# Altium PCB PCB1.PcbDoc (part 1 of 3) (continued)
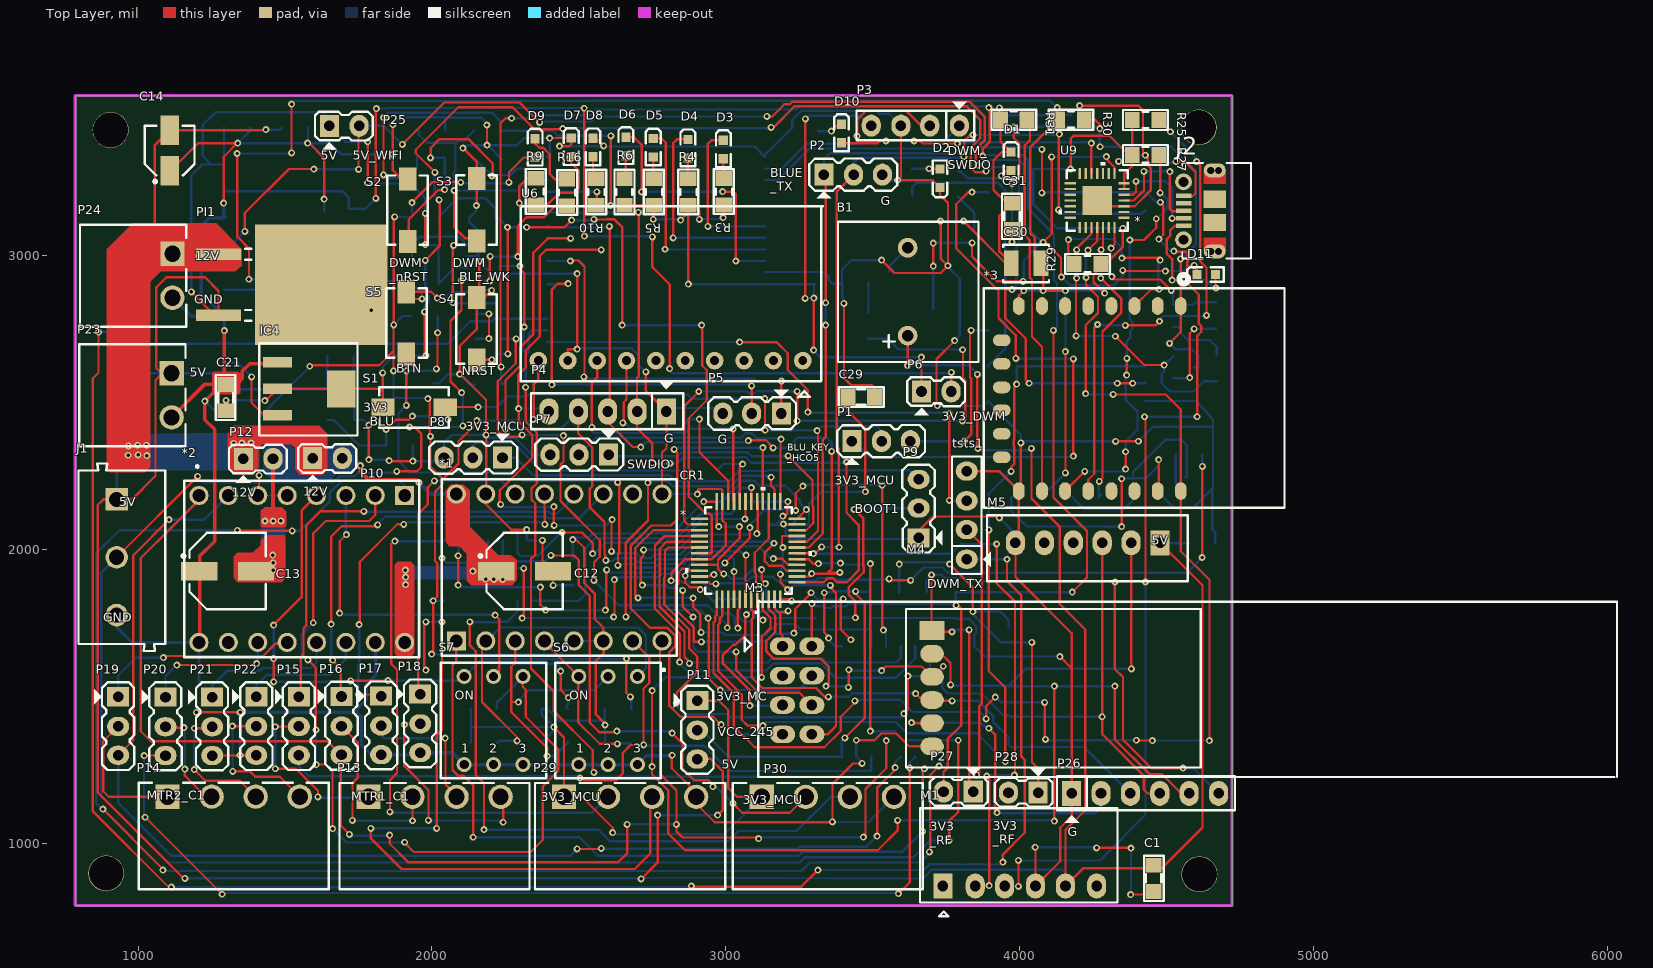
[diagram p0: Top Layer view]
## Footprints (in the part's own frame and the unit in brackets; to place one, negate y for a bottom-side part, rotate by r counter-clockwise, add the part's x,y. Pads: shape width x height; smd on the part's side, far side on the other; paste and mask are expansions set on the pad) (continued)
  rect 1.65x1.65 hole 1.1: 8(-6.35,8.89)
  silkscreen extent -8.95,-10.16 7.62,10.16, body extent -7.75,-10.03 7.49,10.29, height 11.48
DWM1001 [mm]
  rect 2.54x0.65 smd: 1(-9.115,4.085) 2(-9.115,3.085) 3(-9.115,2.085) 4(-9.115,1.085) 5(-9.115,0.085) 6(-9.115,-0.915) 7(-9.115,-1.915) 8(-9.115,-2.915) 9(-9.115,-3.915) 10(-9.115,-4.915) 11(-9.115,-5.915) 12(-9.115,-6.915) 13(-9.115,-7.915) 14(-9.115,-8.915) 15(-9.115,-9.915) 16(-9.115,-10.915) 17(-9.115,-11.915) 18(9.725,-11.915) 19(9.725,-10.915) 20(9.725,-9.915) 21(9.725,-8.915) 22(9.725,-7.915) 23(9.725,-6.915) 24(9.725,-5.915) 25(9.725,-4.915) 26(9.725,-3.915) 27(9.725,-2.915) 28(9.725,-1.915) 29(9.725,-0.915) 30(9.725,0.085) 31(9.725,1.085) 32(9.725,2.085) 33(9.725,3.085) 34(9.725,4.085)
  silkscreen extent -10.99,-13.07 9.72,13.06, body extent -9.23,-13.01 9.9,13.11, height 3.2
ESP8266 [mil]
  oval 60x40 smd: 1(0,551.18) 2(0,472.44) 3(0,393.7) 4(0,314.96) 5(0,236.22) 6(0,157.48) 7(0,78.74) 8(0,0) 15(629.92,0) 16(629.92,78.74) 17(629.92,157.48) 18(629.92,236.22) 19(629.92,314.96) 20(629.92,393.7) 21(629.92,472.44) 22(629.92,551.18)
  oval 40x60 smd: 9(117,-58) 10(197,-58) 11(277,-58) 12(355,-58) 13(435,-58) 14(515,-58)
  silkscreen extent -60,-120 687,904, body extent 1,-60 631,885, height 104
"GY 9250" [mil]
  round 60 hole 30: 1(0,900) 2(0,800) 3(0,700) 4(0,600) 5(0,500) 6(0,400) 7(0,300) 8(0,200) 9(0,100) 10(0,0)
  silkscreen extent -125,-68 525,960, body extent -60,-50 530,950, height 487
HC12 [mil]
  oval 80x60 smd: 1(0,0) 2(0,100) 3(0,200) 4(0,300) 5(0,400)
  silkscreen extent -47,-71 1043,453, body extent -47,-71 1043,453, height 1025
HC-05-06-SMD [mil]
  oval 60x40 smd: 1(0,710) 2(0,650) 3(0,590) 4(0,530) 5(0,470) 6(0,420) 7(0,360) 8(0,300) 9(0,240) 10(0,180) 11(0,120) 12(0,60) 13(0,0) 22(535,0) 23(535,60) 24(535,120) 25(535,180) 26(535,240) 27(535,290) 28(535,350) 29(535,410) 30(535,470) 31(535,530) 32(535,590) 33(535,650) 34(535,710)
  oval 40x60 smd: 14(60,-60) 15(120,-60) 16(180,-60) 17(240,-60) 18(300,-60) 19(360,-60) 20(420,-60) 21(480,-60)
  silkscreen extent -50,-138 588,1079, body extent -9,-68 543,1035, height 93
HC-05-06-TH [mil]
  rect 85x65 hole 36: 1(0,0)
  oval 85x65 hole 36: 2(0,110) 3(0,210) 4(0,315) 5(0,417) 6(0,523)
  silkscreen extent -265,-78 103,594, body extent -242,-49 16,581, height 1628
Holybro [mil]
  rect 85x65 hole 36: 1(0,0)
  oval 85x65 hole 36: 2(0,98.42) 3(0,196.85) 4(0,295.28) 5(0,393.7) 6(0,492.13)
  silkscreen extent -131,-94 94,589, body extent -134,-96 96,588, height 284
IRLML6402TRPBF [mil]
  rect 22x34 smd paste+0 mask+0: 1(-37.5,-47) 2(37.5,-47) 3(0,47)
  silkscreen extent -114,-55 64,33, body extent -59,-50 59,50, height 43
JP2 [mil]
  rect 65x75 hole 36: 1(0,0)
  oval 65x75 hole 36: 2(101,0)
  silkscreen extent -49,-81 148,48, body extent -48,-50 148,48, height 323
JP3 [mil] "Jumper 3"
  rect 65x75 hole 36: 1(-100,0)
  oval 65x75 hole 36: 2(1,0) 3(99,0)
  silkscreen extent -150,-81 149,55, body extent -150,-60 150,55, height 355
jp3 [mil] "Jumper 3"
  rect 65x75 hole 36: 1(-100,0)
  oval 65x75 hole 36: 2(1,0) 3(99,0)
  silkscreen extent -150,-81 149,55, body extent -150,-60 150,55, height 355
JP4 [mil] "Jumper 4"
  oval 65x75 hole 36: 1(-100,0) 2(1,0) 3(99,0) 4(200,0)
  silkscreen extent -150,-81 250,50, body extent -148,-48 248,50, height 323
JP5 [mil] "JP5"
  rect 65x90 hole 36: 1(0,0)
  oval 65x90 hole 36: 2(100,0) 3(200,0) 4(300,0) 5(400,0)
  silkscreen extent -57,-101 461,60, body extent -48,-53 448,45, height 323
JP6 [mil] "JP6"
  rect 65x85 hole 36: 1(0,0)
  oval 65x85 hole 36: 2(100,0) 3(200,0) 4(300,0) 5(400,0) 6(500,0)
  silkscreen extent -50,-99 556,58, body extent -48,-50 548,48, height 323
LC12S [mil]
  rect 85x65 smd: 1(0,0)
  oval 80x60 smd: 2(0,78.74) 3(0,157.48) 4(0,236.22) 5(0,314.96) 6(0,393.7)
  silkscreen extent -914,-73 89,466, body extent -914,-236 3,466, height 87
LED_0603_Blue [mm] "Chip LED, 2-Leads, Body 1.6x0.8mm, IPC Medium Density"
  rect 0.8x0.8 smd: 1(-0.8,0) 2(0.8,0)
  silkscreen extent -1.52,-0.64 1.65,0.64, body extent -0.8,-0.4 0.8,0.4, height 0.7
NRF24L01 [mil]
  oval 86x60 hole 36: 1(0,0) 2(-100,0) 3(0,100) 4(-100,100) 5(0,200) 6(-100,200) 7(0,300) 8(-100,300)
  silkscreen extent -2840,-155 129,445, body extent -2831,-155 82,445, height 3831
RES-SM-0805 [mil]
  rect 50x55 smd: 1(0,0) 2(90,0)
  silkscreen extent -31,-34 121,34, body extent -5,-24 95,25, height 20
SOT23_NEX [mil]
  rect 22x52 smd paste+0 mask+4: 1(-37.5,-37.21) 2(37.5,-37.21) 3(0,33.36)
  silkscreen extent -85,-50 64,33, body extent -59,-54 59,44, height 43
STM32F103C8T6 [mil]
  rect 58x9 smd paste+0 mask+0: 1(-166,108.27) 2(-166,88.58) 3(-166,68.9) 4(-166,49.21) 5(-166,29.53) 6(-166,9.84) 7(-166,-9.84) 8(-166,-29.53) 9(-166,-49.21) 10(-166,-68.9) 11(-166,-88.58) 12(-166,-108.27) 25(166,-108.27) 26(166,-88.58) 27(166,-68.9) 28(166,-49.21) 29(166,-29.53) 30(166,-9.84) 31(166,9.84) 32(166,29.53) 33(166,49.21) 34(166,68.9) 35(166,88.58) 36(166,108.27)
  rect 9x58 smd paste+0 mask+0: 13(-108.27,-166) 14(-88.58,-166) 15(-68.9,-166) 16(-49.21,-166) 17(-29.53,-166) 18(-9.84,-166) 19(9.84,-166) 20(29.53,-166) 21(49.21,-166) 22(68.9,-166) 23(88.58,-166) 24(108.27,-166) 37(108.27,166) 38(88.58,166) 39(68.9,166) 40(49.21,166) 41(29.53,166) 42(9.84,166) 43(-9.84,166) 44(-29.53,166) 45(-49.21,166) 46(-68.9,166) 47(-88.58,166) 48(-108.27,166)
  silkscreen extent -215,-215 215,215, body extent -180,-182 182,180, height 63
TAJB107M006RNJ [mil]
  rect 49.98x87 smd paste+0 mask+0: 1(-51.01,0) 2(51.01,0)
  silkscreen extent -78,-64 78,64, body extent -73,-59 73,59, height 85
XC6204B332MR [mil]
  rect 44.5x17 smd paste+0 mask+0: 1(-54.75,37.4) 2(-54.75,0) 3(-54.75,-37.4) 4(54.75,-37.4) 5(54.75,37.4)
  body extent -55,-57 55,57, height 51

## Part data
1 R2 R7 R8 R9 R10 R14 R15 R17 R18 R19 R20 R21 R22 R23 R24: "RES 1K OHM 1% 1/4W 0805", Manufacturer="Stackpole Electronics Inc", Manufacturer Part Number=RNCP0805FTD1K00, Supplier 1 Part Number=RNCP0805FTD1K00CT-ND, Local Supplier=thegioiic, Local Supplier Link=https://thegioiic.com/products/dien-tro-1k-ohm-0805-5, Supplier 1=Digikey, Supplier 1 Link=https://www.digikey.com/product-detail/en/stackpole-electronics-inc/RNCP0805FTD1K00/RNCP0805FTD1K00CT-ND/2240568
C1 C2 C3 C6 C7 C8 C9 C10 C24 C25 C26 C27 C29 C31 C32 C33 C34 C35: "CAP CER 1000PF 100V X7R 0805", Manufacturer="Johanson Dielectrics Inc.", Manufacturer Part Number=101X15W102MV4E, Supplier 1 Part Number=709-1335-1-ND, Local Supplier=thegioiic, Local Supplier Link=https://thegioiic.com/products/tu-1nf-50v-0805, Supplier 1=Digikey, Supplier 1 Link=https://www.digikey.com/product-detail/en/johanson-dielectrics-inc/101X15W102MV4E/709-1335-1-ND/2327235
C4 C5: "CAP CER 4.7UF 50V X5R 0805", Manufacturer="Murata Electronics", Manufacturer Part Number=GRM21BR61H475KE51L, Supplier 1 Part Number=490-10751-1-ND, Local Supplier=thegioiic, Local Supplier Link=https://thegioiic.com/products/tu-4-7uf-50v-0805-cap, Supplier 1=Digikey, Supplier 1 Link=https://www.digikey.com/product-detail/en/murata-electronics/GRM21BR61H475KE51L/490-10751-1-ND/5251349
C11 C15 C16 C17 C18 C19 C20 C21 C23: "CAP CER 10UF 50V X5R 0805", Manufacturer=Yageo, Manufacturer Part Number=CC0805KKX5R9BB106, Supplier 1 Part Number=311-3499-2-ND, Local Supplier=thegioiic, Local Supplier Link=https://thegioiic.com/products/tu-10uf-50v-0805, Supplier 1=Digikey, Supplier 1 Link=https://www.digikey.com/product-detail/en/yageo/CC0805KKX5R9BB106/311-3499-2-ND/7164383
C12: "CAP ALUM 100UF 20% 16V SMD", Manufacturer=Nichicon, Manufacturer Part Number=UWX1C101MCL1GB, Supplier 1 Part Number=493-2105-1-ND, Local Supplier=thegioiic, Local Supplier Link=https://thegioiic.com/products/tu-nhom-smd-100uf-16v-d6-3l5-4, Supplier 1=Digikey, Supplier 1 Link=https://www.digikey.com/product-detail/en/nichicon/UWX1C101MCL1GB/493-2105-1-ND/590080
C13: library part Cap-Al-100uF-16V-D6L5, "CAP ALUM 100UF 20% 16V SMD", Manufacturer=Nichicon, Manufacturer Part Number=UWX1C101MCL1GB, Supplier 1 Part Number=493-2105-1-ND, Local Supplier=thegioiic, Local Supplier Link=https://thegioiic.com/products/tu-nhom-smd-100uf-16v-d6-3l5-4, Supplier 1=Digikey, Supplier 1 Link=https://www.digikey.com/product-detail/en/nichicon/UWX1C101MCL1GB/493-2105-1-ND/590080
C14: "Polarized Capacitor (Radial)"
C22: "CAP CER 0.1UF 50V Y5V 0805", Manufacturer="Samsung Electro-Mechanics", Manufacturer Part Number=CL21F104ZBCNNNC, Supplier 1 Part Number=1276-1007-1-ND, Local Supplier=thegioiic, Local Supplier Link=https://thegioiic.com/products/tu-100nf-0-1uf-50v-0805, Supplier 1=Digikey, Supplier 1 Link=https://www.digikey.com/product-detail/en/samsung-electro-mechanics/CL21F104ZBCNNNC/1276-1007-1-ND/3889093
C28: "Capacitor"
J1: "WR-TBL Serie 102 Horizontal Entry Modular, Pressure Clamp, pitch 5mm, 3p", Operating Temperature="-40 to +105degC", Rated Current [UL]=15A, Working Voltage [UL]=250VAC, Application="Pressure Clamp", Compliance="Lead free / RoHS", ComponentLink1Description=Manufacturer, ComponentLink1URL=http://www.we-online.de, ComponentLink2Description=Datasheet, ComponentLink2URL=https://katalog.we-online.de/em/datasheet/691102710003.pdf, Modularity=Yes, Mounting Technology=THT, Packaging=Box, Part Number=691102710003, PCB/Cable/Panel=PCB, Pin Number=3, Pitch=5mm, Published Date="October 2019", Publisher="Wurth Elektronik", Type=Horizontal
J2 U2 U7 U8: "No Description Available", Copyright="Copyright (C) 2018 Accelerated Designs. All rights reserved", RefDes=RefDes, Type=DEV
  J2: Built_By=EMA_Cory, Datasheet=https://www.molex.com/pdm_docs/sd/1050170001_sd.pdf, Manufacturer_Part_Number=105017-0001, SourceLibrary=Molex_2020-05-26, Vendor="Molex Connector Corporation"
  U2: Built_By=EMA_UL_Team, Manufacturer_Part_Number=74HC245, SourceLibrary=TI_2002-01-01_7, Vendor="Texas Instruments"
  U7 U8: Built_By=EMA_Justin, Manufacturer_Part_Number=IRLML6402TRPBF, Source_Library=Infineon_2020-02-27.xlr, SourceLibrary=Infineon_2020-02-27, Vendor=Infineon
M5: library part Holybro, Supplier=https://www.lazada.vn/products/ld-holybro-433mhz-915-mhz-500-mw-thu-phat-vo-tuyen-xa-bo-v3-cho-pixhawk-4-dieu-khien-chuyen-bay-i430804435-s768474304.html?spm=a2o4n.searchlist.list.4.25396b19yIS9XO&search=1
P1 P2 P5 P7 P11 P15 P16 P17 P18 P19 P20 P21 P22: "Header, 3-Pin", LatestRevisionDate=17-Jul-2002, LatestRevisionNote="Re-released for DXP Platform.", Publisher="Altium Limited"
P3 tsts1: "Header, 4-Pin", LatestRevisionDate=17-Jul-2002, LatestRevisionNote="Re-released for DXP Platform.", Publisher="Altium Limited"
P4: "Header, 5-Pin", LatestRevisionDate=17-Jul-2002, LatestRevisionNote="Re-released for DXP Platform.", Publisher="Altium Limited"
P6 P10 P12 P25 P27 P28: "Header, 2-Pin", LatestRevisionDate=17-Jul-2002, LatestRevisionNote="Re-released for DXP Platform.", Publisher="Altium Limited"
P8 P9: library part "Header 3", "Header, 3-Pin", LatestRevisionDate=17-Jul-2002, LatestRevisionNote="Re-released for DXP Platform.", Publisher="Altium Limited"
P13 P14 P29 P30: "WR-TBL Serie 322 Horizontal PCB Header, Pluggable, pitch 3.81mm, 4p", Operating Temperature="-40 to +105degC", Rated Current [UL]=10A, Working Voltage [UL]=300VAC, Application=Pluggable, Compliance=RoHS, ComponentLink1Description=Manufacturer, ComponentLink1URL=http://www.we-online.de, ComponentLink2Description=Datasheet, ComponentLink2URL=https://katalog.we-online.de/em/datasheet/691322310004.pdf, Modularity=No, Mounting Technology=THT, Packaging=Box, Part Number=691322310004, PCB/Cable/Panel=PCB, Pin Number=4, Pitch=3.81mm, Published Date="October 2019", Publisher="Wurth Elektronik", Type=Horizontal
P23 P24: "WR-TBL Serie 322 Horizontal PCB Header, Pluggable, pitch 3.81mm, 2p", Operating Temperature="-40 to +105degC", Rated Current [UL]=10A, Working Voltage [UL]=300VAC, Application=Pluggable, Compliance=RoHS, ComponentLink1Description=Manufacturer, ComponentLink1URL=http://www.we-online.de, ComponentLink2Description=Datasheet, ComponentLink2URL=https://katalog.we-online.de/em/datasheet/691322310002.pdf, Modularity=No, Mounting Technology=THT, Packaging=Box, Part Number=691322310002, PCB/Cable/Panel=PCB, Pin Number=2, Pitch=3.81mm, Published Date="October 2019", Publisher="Wurth Elektronik", Type=Horizontal
P26: "Header, 6-Pin", LatestRevisionDate=17-Jul-2002, LatestRevisionNote="Re-released for DXP Platform.", Publisher="Altium Limited"
PI1: library part L7805-SMD_1, Manufacturer_Part_Number=L7805CD2T-TR, Built_By=EMA_UL_Team, Copyright="Copyright (C) 2018 Accelerated Designs. All rights reserved", RefDes=RefDes, Type=DEV, Vendor=STMicroelectronics
R1 R3 R4 R5 R6 R11 R13 R16 R25 R27 R29 R30 R31 R33 R35: "RES 0 OHM JUMPER 0805", Manufacturer="Vishay Dale", Manufacturer Part Number=WSL080500000ZEA9, Supplier 1 Part Number=541-3928-1-ND, Local Supplier=thegioiic, Local Supplier Link=https://thegioiic.com/products/dien-tro-0-ohm-0805-5, Supplier 1=Digikey, Supplier 1 Link=https://www.digikey.com/product-detail/en/vishay-dale/WSL080500000ZEA9/541-3928-1-ND/7423223
R12: "RES 12 KOHM JUMPER 0805", Manufacturer="Vishay Thin Film", Manufacturer Part Number=PAT0805E3121BST1, Supplier 1 Part Number=PAT0805E3121BST1-ND, Local Supplier=icdayroi, Local Supplier Link=https://icdayroi.com/dien-tro-12k-0805-1-goi-50-con, Supplier 1=Digikey, Supplier 1 Link=https://www.digikey.com/product-detail/en/vishay-thin-film/PAT0805E3121BST1/PAT0805E3121BST1-ND/2281536
R26 R28 R32 R34: "RES 470 OHM JUMPER 0805", Manufacturer=YAG6006CT-ND, Manufacturer Part Number=PE0805FRF7W0R047L, Local Supplier=thegioiic, Local Supplier Link=https://www.thegioiic.com/products/dien-tro-470-kohm-0805-5, Supplier 1=Digikey, Supplier 1 Link=https://www.digikey.com/product-detail/en/yageo/PE0805FRF7W0R047L/YAG6006CT-ND/9696460, Supplier 1 Part Number=YAG6006CT-ND
S1 S2 S3 S4 S5: "WS-TASV J-Bend SMT Tact Switch 6x3.5mm, height 4.3mm, 260gf", Operating Temperature="-40 to +85degC", Rated Current=50mA, Rated Voltage=12VDC, ComponentLink1Description=Manufacturer, ComponentLink1URL=http://www.we-online.de, ComponentLink2Description=Datasheet, ComponentLink2URL=https://katalog.we-online.com/em/datasheet/434113043826.pdf, Contact Material="Stainless Steel", Contact Plating=Silver, Height=4.3mm, Mounting Technology=SMT, Operation Force=260gf, Packaging="Tape and Reel", Part Number=434113043826, Published Date="September 2019", Publisher="Wurth Elektronik", Terminal Material="Copper Alloy", Terminal Plating=Silver, Washable=No
S6 S7: "WS-DITV Compact THT Dip Switch, Flat Actuator, pitch 2.54mm, 3p", Operating Temperature="-40 to +85degC", Rated Current Non-Switching=100mA, Rated Current Switching=25mA, Rated Voltage Non-Switching=50VDC, Rated Voltage Switching=24VDC, Actuator Type="Flat Type", Circuit=SPST-NO, ComponentLink1Description=Manufacturer, ComponentLink1URL=http://www.we-online.de, ComponentLink2Description=Datasheet, ComponentLink2URL=https://katalog.we-online.com/em/datasheet/418117170903.pdf, Contact Material="Copper Alloy", Contact Plating=Gold, Mounting Technology=THT, Operation Force=800g, Packaging=Tube, Part Number=418117170903, Pitch=2.54mm, Pole Number=3, Published Date="September 2019", Publisher="Wurth Elektronik"
U1: Manufacturer_Name="Decawave Limited", Arrow Part Number=DWM1001, Datasheet Link=https://www.decawave.com/sites/default/files/dwm1001_datasheet.pdf, Height=3mm, Manufacturer_Part_Number=DWM1001
*3: Local supply=Hshop, Local supply link=https://www.elecrow.com/download/ESP-12F.pdf
C30: Built_By=EMA_UL_Team, Copyright="Copyright (C) 2018 Accelerated Designs. All rights reserved", Manufacturer_Part_Number=TAJB107M006RNJ, RefDes=RefDes, SourceLibrary=AVX_2015-1-12, Type=DEV, Vendor="AVX Corporation"
CR1: Built_By=EMA_UL_Team, Copyright="Copyright (C) 2018 Accelerated Designs. All rights reserved", Manufacturer_Part_Number=STM32F103C8T6, RefDes=RefDes, SourceLibrary=StMicro_2011-06-07, Type=DEV, Vendor=STMicroelectronics
IC1 IC2 IC3 IC4: Built_By=EMA_Matt, Copyright="Copyright (C) 2018 Accelerated Designs. All rights reserved", Manufacturer_Part_Number=AMS1117, RefDes=RefDes, SourceLibrary=Advanced_Monolithic_Systems_10-16-2019, Type=DEV, Vendor="Advanced Monolithic Systems"
M2: Local supply=Hshop
M3: Local supply=Hshop, Local supply link=https://lastminuteengineers.com/nrf24l01-arduino-wireless-communication/
M4: Local supply=HShop, Local supply link=https://hshop.vn/products/mach-thu-phat-rf-uart-lc12s-2-4ghz
M6: Local supply=Hshop, Local supply link=https://hshop.vn/products/mach-thu-phat-rf-uart-si4463-433mhzkhoang-coch-1km, Local supply number=HS000897
U4: Built_By=EMA_UL_Team, Copyright="Copyright (C) 2018 Accelerated Designs. All rights reserved", Manufacturer_Part_Number=XC6204B181MR, RefDes=RefDes, SourceLibrary=Torex_2016-07-05_1, Type=DEV, Vendor="Torex Semiconductor"
U5: Copyright="Copyright (C) 2016 Accelerated Designs. All rights reserved", Manufacturer_Part_Number=74HC14D,652, RefDes=RefDes, SourceLibrary=Nexperia_2018-05-2018, Type=DEV, Vendor=Nexperia
U9: Built_By=EMA_UL_Team, Copyright="Copyright (C) 2018 Accelerated Designs. All rights reserved", Manufacturer_Part_Number=CP2102-GM, RefDes=RefDes, SourceLibrary=Silicon_Labs_2015-03-23, Type=DEV, Vendor="Silicon Labs"

## Free pads (board coordinates)
  round 122.05 hole 118.11: H1(4612,894) H2(4610,3436) H3(891,897) H4(906,3427)

## Via types
v1: diameter 23.62, hole 11.81, Top Layer to Bottom Layer, tented both sides, 615 vias
v2: diameter 23.62, hole 11.81, Top Layer to Bottom Layer, 2 vias

## Nets (pads, with @x,y where several pads share a name; then routed paths per layer and width w, separated by ;. In a path a pad name is that pad's centre, name@x,y a point inside that pad or via, vN(x,y) a via of type N, cw(c..) or ccw(c..) an arc to the next point about the centre after c; other vN are vias at no path point)
"3V3 MCU": P8.1 P9.3 | length 1478.1
  Bottom Layer w8: P8.1@2240,2312 2284.46,2312 2344.27,2252.19 2808.59,2252.19 2829.77,2231 3010.12,2231 3045.31,2266.19 3141.35,2266.19 3144.14,2268.97 3625.03,2268.97 P9.3@3656,2238
3v3_BLU: C21.2 IC4.2 IC4.4 M2.12 S1.1 | length 5250.6
  Top Layer w8: v1(1431,2506) 1434,2506 IC4.2@1474,2546 IC4.4@1691,2546 1822,2546 1832.7,2535.3 ; v1(1832,2600) 1832.7,2599.3 1832.7,2535.3 ; S1.1@1832.7,2483 1832.7,2535.3 ; v1(1975,2808) 1975,2664 v1(1980,2659) ; v1(1977,2983) 2026,3032 2026,3187 v1(2024,3189) ; v1(2010,3283) 1945,3348 1945,3360 2089.62,3504.62 2273.67,3504.62 2349.11,3429.19 2442.19,3429.19 v1(2445,3432) v1@2446,3432 ; v1(3154,3435.81) 3161.81,3435.81 3233.5,3507.5 3819.5,3507.5 3865.81,3461.19 3865.81,3399.14 3834.19,3367.52 3834.19,3298.14 3849.14,3283.19 3882.19,3283.19 v1(3886,3287) ; v1(3974,2884) 3973,2885 3951,2885 3951,2787 4021,2717 4021,2576.12 v1(4032,2565.12) ; 4321.12,2565.12 v1(4333,2565.12) v1(4384.81,2565.12)
  Bottom Layer w8: v1(1299,2507) 1430,2507 v1(1431,2506) ; v1(1832,2600) 1832,2621 1870,2659 v1(1980,2659) ; v1(1975,2808) 1975,2827.33 1989.81,2842.14 1989.81,2861.86 1986,2865.67 1986,2886 1977,2895 v1(1977,2983) ; v1(2010,3283) 2010,3203 v1(2024,3189) ; v1(2445,3432) 2446,3433 3151.19,3433 v1(3154,3435.81) ; v1(3886,3287) 3893.95,3287 3907.95,3301 3985,3301 3997.81,3288.19 3997.81,3036.14 3988.19,3026.52 3988.19,2898.19 v1(3974,2884) ; v1(4032,2565.12) v1(4333,2565.12) ; v1(4384.81,2565.12) 4385.04,2564.89 M2.12@4428,2564.89 M2.12@4425.89,2567
3v3_DWM: C19.2 IC3.2 IC3.4 P6.2 | length 3779
  Top Layer w8: v1(1809,3194) 1809,3498 v1(1811,3500) ; v1@2518.5,3505 2518.5,3066.5 v1(2519,3066) ; v1(2750,3063) 2750,2960 2809,2901 v1(2809,2615) ; P6.2@3767,2537 3767,2601 v1(3768,2602)
  Bottom Layer w8: IC3.2@1292.5,3219 IC3.4@1509.5,3219 1695,3219 1717,3197 1717,3159 1774,3159 v1(1809,3194) ; v1(1811,3500) 1842.28,3500 1844.28,3502 2513,3502 2518,3507 v1@2518.5,3507 ; v1(2519,3066) 2518,3065 2746,3065 2747,3066 v1(2750,3063) ; v1(2809,2615) 2809,2607 2817,2599 3765,2599 v1(3768,2602)
  other v1: 2518,3501
3V3_DWM_M: C3.2 P3.4 P6.1 R3.2 R4.2 R5.2 R6.1 R7.2 R8.2 U1.12 | length 4298.9
  Top Layer w8: v1(1835,3274) v1(1835,3469) ; v1(2609,3407) 2609,3171 v1(2608,3170) 2654,3170 R6.1@2655,3171 R5.2@2755,3171 2755,3125 v1(2753,3123) ; v1(2846,3120) 2871.7,3145.7 2871.7,3171 R4.2@2872.63,3170.07 ; v1(2872.63,2902.37) R4.2@2872.63,3170.07 ; v1(2910,3123) 2910,3153 2894.5,3168.5 2874.2,3168.5 R4.2@2872.63,3170.07 ; v1(2991,3129) 2993,3131 R3.2@2993,3172 ; v1(3270,2854) v1@3270,3459 ; v1(3299,2678) 3299,2854 v1(3300,2855) ; v1(3665.5,2654) 3666,2653.5 P6.1@3666,2537
  Bottom Layer w8: v1(1835,3274) 1835,3263 1916,3263 1949,3296 R7.2@1949,3335 ; v1@1835,3470.09 1850.91,3486 2204.09,3486 2232,3458.09 R8.2@2232,3424 2232.31,3424.31 2410.77,3424.31 2428.08,3407 v1(2609,3407) ; v1(2753,3123) 2843,3123 v1(2846,3120) ; v1(2872.63,2902.37) U1.12@3133.73,2902.37 3304.37,2902.37 C3.2@3305,2903 ; v1(2910,3123) 2902.06,3123 2901.03,3124.03 2949.28,3124.03 ; 2949.31,3124 2986,3124 v1(2991,3129) ; v1(3270,2854) 3299,2854 v1(3300,2855) C3.2@3300,2898 ; v1(3271,3465) 3282,3476 3455,3476 3489,3442 P3.4@3495,3442 ; v1(3299,2678) 3299,2676 3321,2654 v1@3654,2654
3V3_MC: *1.3 *1.4 *2.3 *2.4 C8.2 C9.2 C10.2 C18.2 C20.2 C28.2 C29.2 CR1.9 CR1.24 CR1.36 CR1.48 D9.1 IC2.2 IC2.4 P11.1 P29.1 P30.1 R11.2 R13.2 R17.2 R18.2 R19.2 R20.2 R21.2 R22.2 U5.14 U6.1 | length 10824
  Top Layer w8: *2.3@1407,2183 1411.47,2187.47 v2(1411.47,2251.29) ; v1(1584,2623) 1587,2626 1820.7,2626 1869,2674.3 ; v1(1869,2607) 1869,2674.3 ; v1(1873,3131) 1870.47,3128.47 1870.47,2764.47 1869,2763 1869,2674.3 ; v1(1932,3180) 2001.81,3249.81 v1@2092.81,3249.81 ; v1(1986,2513) 1992.93,2506.07 1992.93,2386.07 v1(1995,2384) 1995,2281 2018.19,2257.81 2018.28,2257.81 2032.81,2243.28 2032.81,2243.19 2037,2239 2090,2292 2090,2367.91 2153,2430.91 v1(2153,2438) ; v1(1999,1643) 2003.81,1647.81 v1(2003.81,1824.81) 2018,1839 2018,1952.33 2010.19,1960.14 2010.19,2195.19 2036,2221 2036,2238 ; v1(2262,3249) 2261.91,3249.09 2261.91,3282.91 2312.5,3333.5 D9.1@2351,3333.5 ; v1(2345,2442) 2347,2442 2346,2443 2346,2561 2362,2577 U6.1@2362,2642 ; v1(2415,1395) 2415,1394 2449.2,1359.8 P29.1@2449.2,1157.48 2509.52,1157.48 2615,1052 v1(2615,1036) ; v1(2479,2033) 2484,2033 2487,2036 2518,2005 2518,1885.17 2553.52,1849.65 2553.52,1763.48 2583,1734 *1.3@2583,1688 2584,1687 2584,1646 2557,1619 2557,1439 2594,1402 v1(2589,1402) ; P11.1@2903,1485 2976,1485 3008.81,1452.19 3008.81,1186.64 3037.98,1157.48 P30.1@3122.24,1157.48 ; CR1.9@2911,1946.79 2971.21,1946.79 ; v1(2925,2162) CR1.48@2968.73,2162 2968.73,2075.27 2970,2074 2973,2077 v1(2976,2077) ; 2983.19,1923.81 2991,1916 v1(2993,1916) ; 2983.19,1923.83 2973.19,1933.83 2973.19,1944.81 2971.21,1946.79 ; v1(3046,2077) 3047.02,2075.98 3047.02,2037.7 2973.19,1963.86 2973.19,1948.77 2971.21,1946.79 ; v1(3122,1931) 3122,1896 v1(3135,1883) ; CR1.24@3185.27,1830 v1@3227,1830 ; CR1.36@3243,2104.27 3243.94,2104.27 3274,2134.33 v1(3274,2135) ; C29.2@3416,2518 3415.5,2517.5 3415.5,2469.88 3474.5,2410.88 3474.5,2196.5 v1(3475,2196)
  Bottom Layer w8: IC2.2@1290.5,2545 IC2.4@1507.5,2545 ; *2.3@1403.5,2186.5 *2.3@1407,2183 *2.4@1507,2183 ; v2(1411.47,2251.29) 1411.47,2417.82 1411.47,2448.97 IC2.4@1507.5,2545 ; v1(1584,2623) 1584,2621.5 IC2.4@1507.5,2545 ; C18.2@1643,2657 1643,2550 C20.2@1642,2549 1638,2545 IC2.4@1507.5,2545 ; v1(1869,2607) 1869,2514.81 1984.19,2514.81 v1(1986,2513) ; v1(1869.91,2764) 1899.91,2794 R13.2@1930,2794 ; v1(1873,3131) R11.2@1932,3131 v1(1932,3180) ; v1(1999,1643) 1998,1642 2437,1642 *1.4@2483,1688 *1.3@2583,1688 ; v1(2003.81,1824.81) 2034.31,1824.81 2037.5,1828 U5.14@2041,1824.5 ; v1(2098,3249) 2100.81,3246.19 2259.19,3246.19 v1(2262,3249) ; R22.2@2131,1458 2133,1456 2133,1395 ; R19.2@2132,1342 2133,1343 2133,1395 ; v1(2153,2438) 2341,2438 v1(2345,2442) ; R18.2@2375,1344 2415,1384 v1(2415,1395) ; C28.2@2481,1967 2479,1969 v1(2479,2033) 2472,2040 2532.54,2040 2546.47,2053.92 2816.92,2053.92 v1(2925,2162) C10.2@2990,2162 2990,2165.63 3058.18,2233.81 3096.86,2233.81 3114.67,2216 3202,2216 3252,2166 3252,2157 v1(3274,2135) 3274,2134.33 3247.86,2108.19 3247.19,2108.19 3231.5,2092.5 C9.2@3241,2083 3276,2083 3283,2090 3283,2154 3324,2195 3474,2195 v1(3475,2196) ; R17.2@2585,1340 2589,1344 v1(2589,1402) 2588.2,1402.8 2588.2,1416 ; R20.2@2588.2,1456.69 2588.2,1416 ; v1(2615,1036) 2621,1030 2994.76,1030 P30.1@3122.24,1157.48 ; v1(2976,2077) v1(3046,2077) ; v1(2993,1916) 2998.62,1916 3000.62,1918 3004.19,1914.43 3004.19,1914.14 3018.14,1900.19 3059.86,1900.19 3090.67,1931 v1(3122,1931) ; v1(3135,1883) 3137,1881 C8.2@3137,1832 ; C8.2@3137,1830 C8.2@3137,1832 ; v1(3224,1824.5) 3144.5,1824.5 C8.2@3137,1832 ; 2133,1395 v1(2415,1395) ; v1(2415,1395) 2373,1437 R21.2@2373,1457 2392,1457 2433,1416 2588.2,1416
3V3_RF: C23.2 C24.2 M3.2 P27.2 P28.2 U4.5 | length 7045.8
  Top Layer w8: v1(2235,2621) 2233.19,2622.81 2233.19,3450.19 2250,3467 v1(2271,3467) ; v1(2300,2964) 2295,2959 2314,2940 v1(2314,2756.5) ; M3.2@3293,1670 v1(3293,1815) ; P27.2@3741,1175 3741,1241.91 3755,1255.91 3755,1354 3801,1400 3801,1798.64 3790.64,1809 v1(3784,1809) ; v1(3874,3338) 3874,3362.07 3897.81,3385.88 3897.81,3500.19 v1(3895,3503) ; v1(4115,2745) 4115,2176 4229,2062 4229,1904 v1(4179,1854)
  Bottom Layer w8: U4.5@2230.75,2959.6 2235.15,2964 v1(2300,2964) ; v1(2235,2621) 2235,2564 2237,2562 C23.2@2236,2561 2239,2561 2301,2623 2301,2667.27 2311,2677.27 2311,2753.5 v1(2314,2756.5) ; v1(2271,3467) 2346.33,3467 2356.14,3476.81 2539.18,3476.81 2559.18,3496.81 3239.18,3496.81 3250.37,3508 3468.25,3508 3468.75,3507.5 3890.5,3507.5 v1(3895,3503) ; v1(3293,1815) 3301.5,1806.5 3334.97,1806.5 3341.47,1800 3358.53,1800 3365.03,1806.5 3408.17,1806.5 3416.67,1815 3778,1815 v1@3783,1810 ; P27.2@3741,1175 3796,1120 3903.91,1120 3955.91,1172 P28.2@3962,1172 ; v1(3784,1809) v1@3783,1810 ; v1(3874,3338) 3876.81,3340.81 4012.19,3340.81 4029.81,3323.19 4029.81,3158.19 4117.19,3070.81 4117.19,2915.72 4127,2905.91 4127,2757 v1(4115,2745) ; v1(4179,1854) C24.2@3783,1854 v1@3783,1810
3v3_WIFI: *3.8 C17.2 C30.2 C32.2 C33.2 IC1.2 IC1.4 R25.1 R27.1 R28.1 R29.1 R30.1 U9.6 U9.7 | length 7361.6
  Top Layer w8: v1(1337,3347) 1337,3064 1377,3024 v1(1377,2919) ; v1(1522,3349) v1(1522,3515) ; *3.8@3997.3,2828 3997.3,2863.3 v1(4014,2880) ; v1(4080,2880) v1(4156,2880) ; 4080,2891.98 4080,2966.01 C30.2@4073.01,2973 4052,2994.01 4052,3060 4035.75,3076.25 4035.75,3367.75 R30.1@4130,3462 4128,3464 v2(4128,3503) ; v1(4156,2260) v1(4156,2673) ; v1(4173,3294) v1@4174,3293 ; v1@4174,3297 4174,3398 4183,3407 4306.37,3407 4371.37,3342 R27.1@4383,3342 ; v1(4289,2872) 4251.19,2909.81 4251.19,2933.28 4265.72,2947.81 4276,2947.81 R29.1@4276,2971 4293,2971 4323.19,3001.19 4323.19,3001.28 4337.72,3015.81 4337.81,3015.81 4351.49,3029.49 v1(4351.49,3092.51) ; U9.6@4355.5,3226.37 U9.7@4355.5,3246.06 4355.5,3277.33 4383,3304.83 R27.1@4383,3342 ; R25.1@4383,3461 R27.1@4383,3342
  Bottom Layer w8: IC1.2@1293.5,2883 IC1.4@1510.5,2883 ; v1(1337,3347) 1520,3347 v1(1522,3349) ; v1(1377,2919) 1474.5,2919 IC1.4@1510.5,2883 ; v1(1522,3515) 1532.81,3525.81 2528.36,3525.81 ; C17.2@1647,2814 1647,2912 C32.2@1648,2913 ; C33.2@1649,3023 1649,2914 C32.2@1648,2913 ; 2532.17,3526 3884.33,3526 3885.14,3526.81 3904.86,3526.81 3905.67,3526 4105,3526 v2(4128,3503) ; v1(4014,2880) v1(4080,2880) ; R28.1@4061,2178 4074,2178 v1(4156,2260) ; v1(4156,2673) v1(4156,2880) 4281,2880 v1(4289,2872) ; v1(4173,3294) 4045.81,3294 4045.81,3175.19 4128.49,3092.51 v1(4351.49,3092.51) ; IC1.4@1510.5,2883 1540.5,2913 C32.2@1648,2913